# Altium PCB SVPX_FMC_6U_SOM.PcbDoc (part 3 of 9)
Units mm, origin at the board's own origin, x right, y up, seen from the top; angles counter-clockwise.
Board outline 160.38 x 233.53 mm, 10 copper layers (Top Layer, L1, P1, L2, P2, P3, L3, P4, L4, Bottom Layer), stack 1.749 mm thick; 649 components, 1262 nets, 4113 pads, 1924 vias.
Unrouted connection lines stored in the file: 1553.
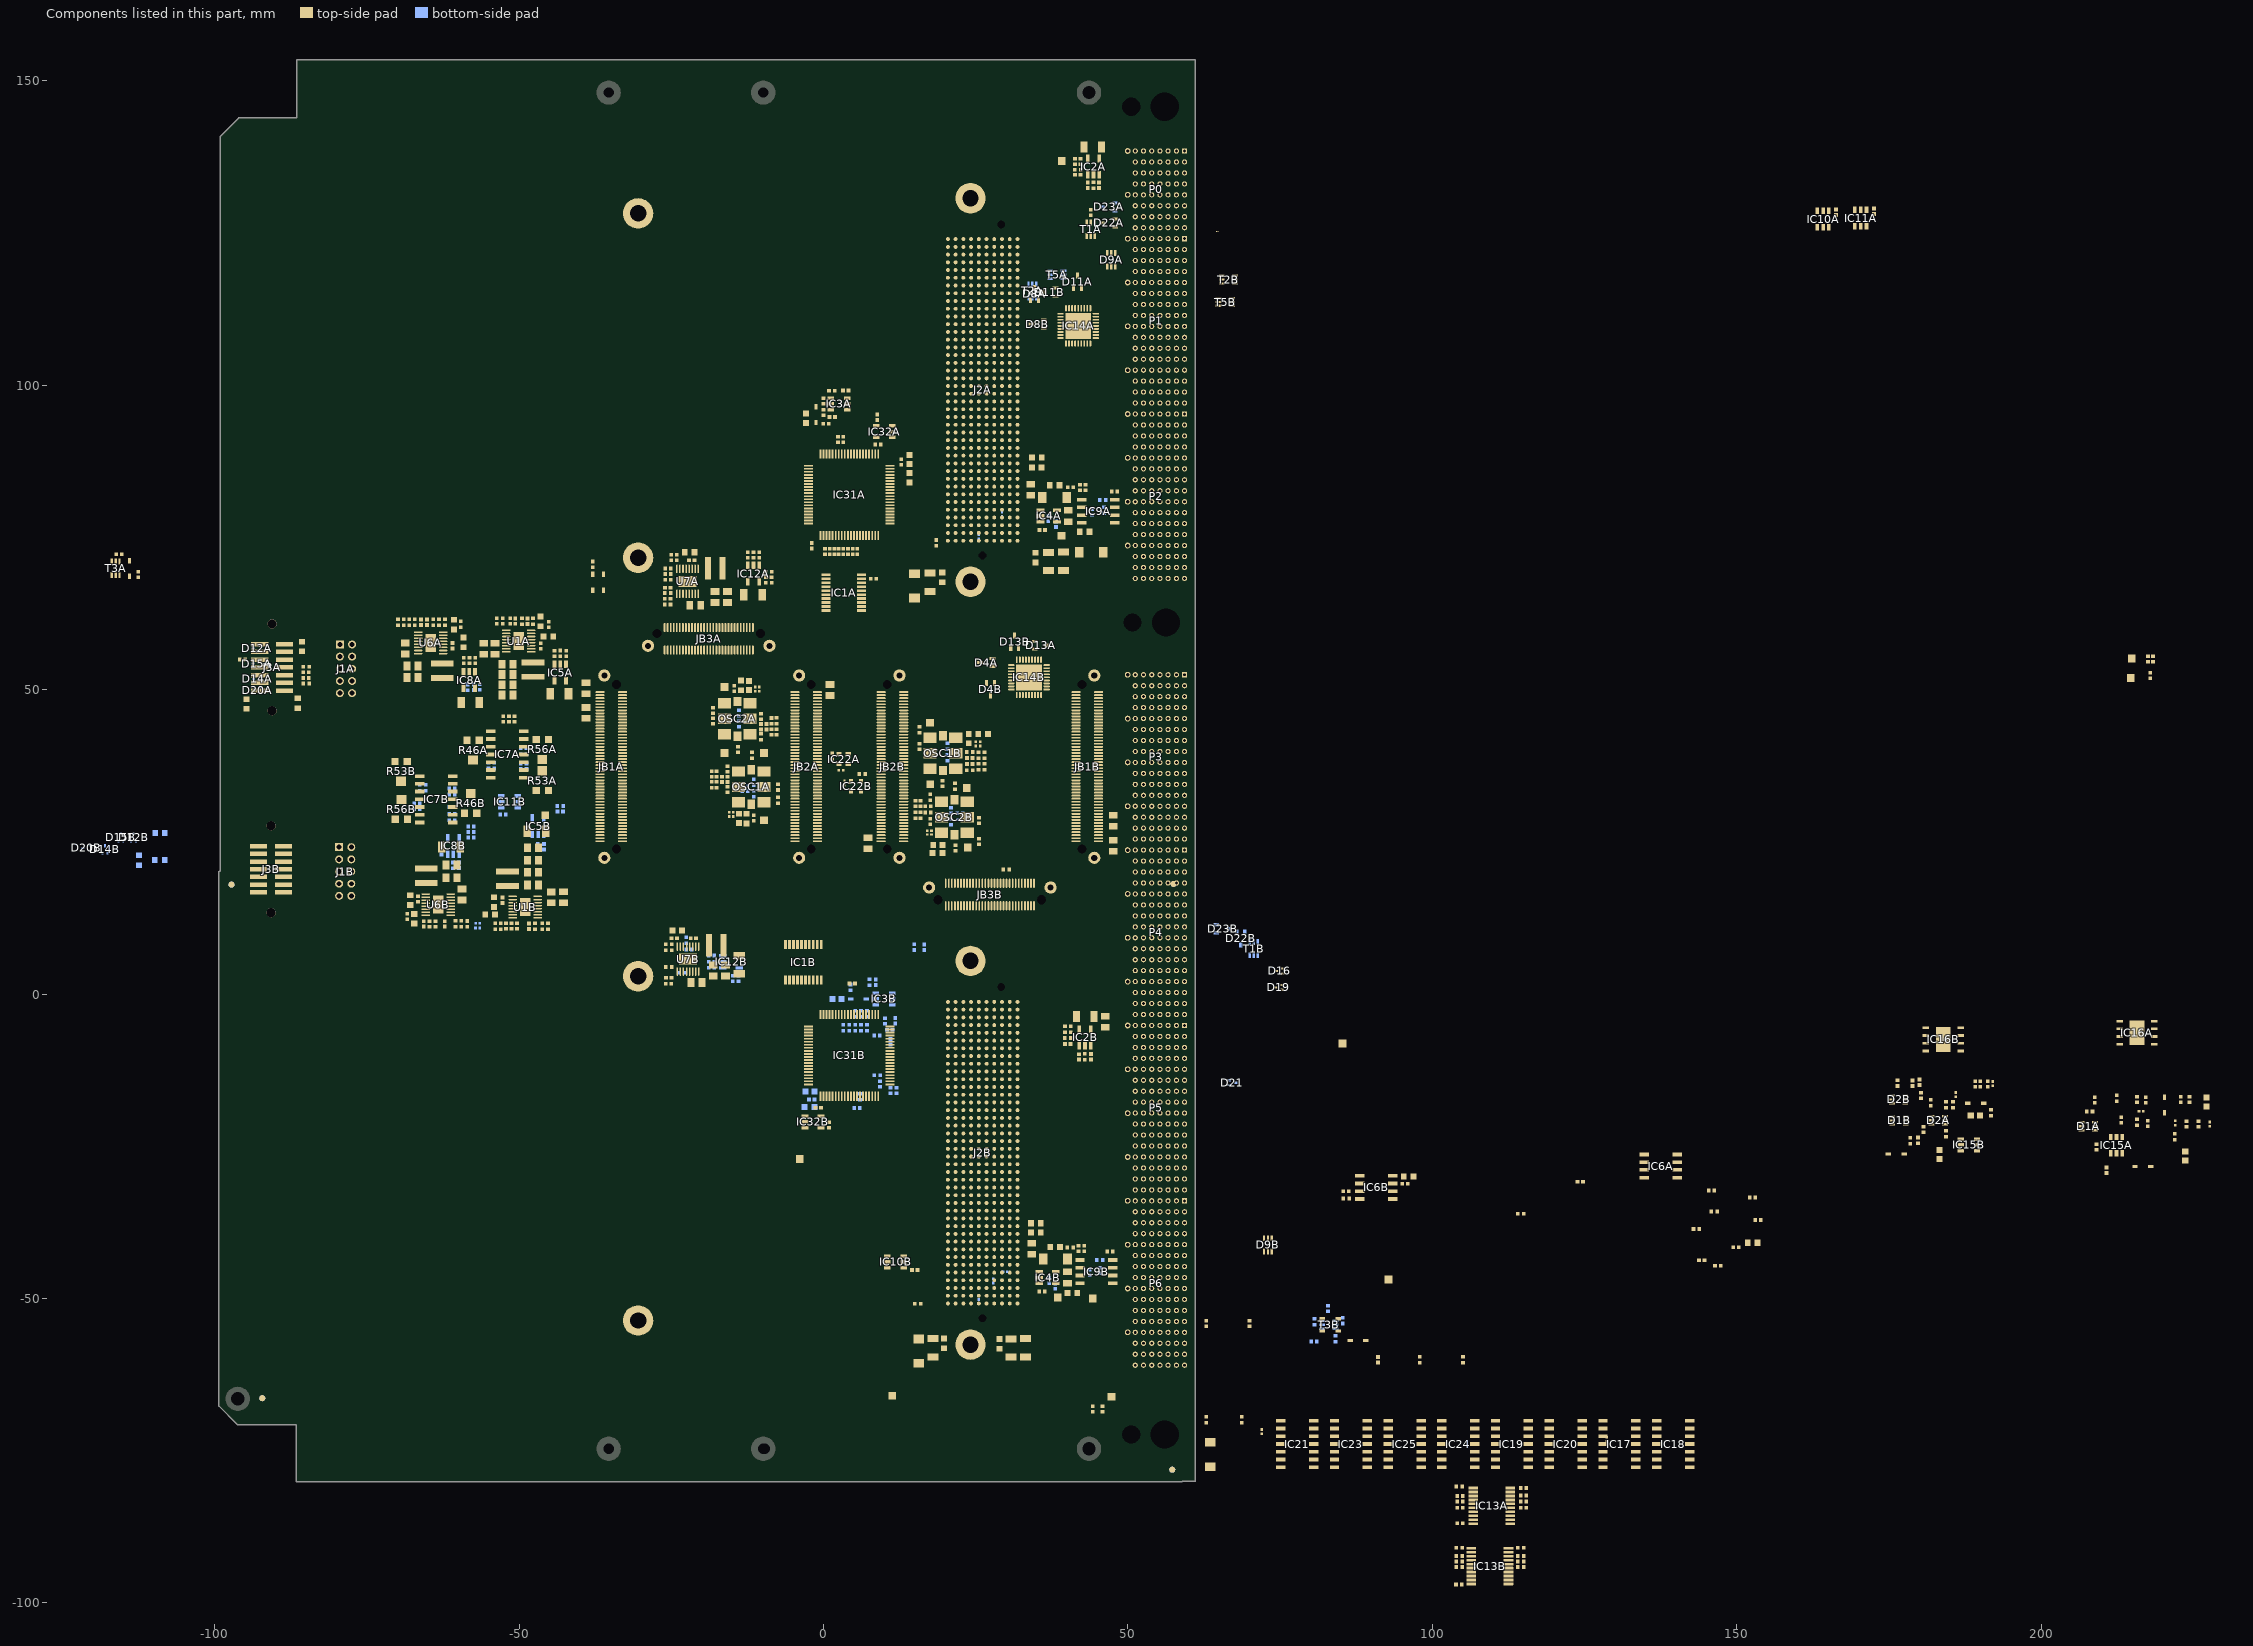
[diagram p11: the components of this part, seen from the top]

## Components (designator, comment, footprint, x,y, rotation, side; value= is the part's Value field where it differs from the comment) (continued)
R125B "200" RESC1005X40N 17.55,32.33 r270 top (schematic designator R125)
R126A "200" RESC1005X40N -10.25,45.6 r270 top (schematic designator R126)
R126B "200" RESC1005X40N 17.55,28.33 r90 top (schematic designator R126)
R127A "10k" RESC1005X40N -8.55,44.87 r270 top (schematic designator R127)
R127B "10k" RESC1005X40N 15.925,29.355 r90 top (schematic designator R127)
R128A "10k" RESC1005X40N -8.55,43.025 r90 top (schematic designator R128)
R128B "10k" RESC1005X40N 15.925,31.305 r270 top (schematic designator R128)
R129A "0" RESC1005X40N -18.14,44.831 r270 top (schematic designator R129)
R129B "0" RESC1005X40N 25.549,28.52 r90 top (schematic designator R129)
R130A "47k" RESC1005X40N 0.261,72.675 r270 top (schematic designator R130)
R130B "47k" RESC1005X40N 7.15,-5.525 r270 bottom (schematic designator R130)
R131A "47k" RESC1005X40N 1.036,72.675 r270 top (schematic designator R131)
R131B "47k" RESC1005X40N 7.15,-3.225 r270 bottom (schematic designator R131)
R132A "47k" RESC1005X40N 1.786,72.675 r270 top (schematic designator R132)
R132B "47k" RESC1005X40N 6.175,-5.525 r270 bottom (schematic designator R132)
R133A "47k" RESC1005X40N 2.511,72.675 r270 top (schematic designator R133)
R133B "47k" RESC1005X40N 6.175,-3.225 r270 bottom (schematic designator R133)
R134A "47k" RESC1005X40N 3.236,72.675 r270 top (schematic designator R134)
R134B "47k" RESC1005X40N 5.2,-5.525 r270 bottom (schematic designator R134)
R135A "47k" RESC1005X40N 4.011,72.675 r270 top (schematic designator R135)
R135B "47k" RESC1005X40N 5.2,-3.225 r90 bottom (schematic designator R135)
R136A "100" RESC1005X40N -84.95,53.75 r0 top (schematic designator R136)
R136B "100" RESC1005X40N 8.78,-6.825 r0 bottom (schematic designator R136)
R137A "1k" RESC1005X40N 1.375,99.1 r0 top (schematic designator R137)
R137B "1k" RESC1005X40N 10.1,-4.425 r90 bottom (schematic designator R137)
R138A "100k" RESC1005X40N 0.4,93.675 r0 top (schematic designator R138)
R138B "100k" RESC1005X40N 4.45,1.1 r90 bottom (schematic designator R138)
R139A "47k" RESC1005X40N 0,95.525 r270 top (schematic designator R139)
R139B "47k" RESC1005X40N 7.575,1.95 r90 bottom (schematic designator R139)
R140A "0" RESC1608X55N -85.625,57.1 r90 top (schematic designator R140)
R140B "0" RESC1608X55N -112.41,21.993 r270 bottom (schematic designator R140)
R141A "100" RESC1005X40N -84.975,51.925 r0 top (schematic designator R141)
R141B "100" RESC1005X40N 12,-15.85 r90 bottom (schematic designator R141)
R142A "100" RESC1005X40N -84.95,51 r0 top (schematic designator R142)
R142B "100" RESC1005X40N 11.025,-15.85 r90 bottom (schematic designator R142)
R143A "100" RESC1005X40N -95.425,54.95 r180 top (schematic designator R143)
R143B "100" RESC1005X40N 9.275,-14.75 r90 bottom (schematic designator R143)
R144A "100" RESC1005X40N -84.975,52.85 r0 top (schematic designator R144)
R144B "100" RESC1005X40N 8.825,-13.325 r0 bottom (schematic designator R144)
R145A "0" RESC1608X55N -94.75,47.625 r270 top (schematic designator R145)
R145B "0" RESC1608X55N -108.988,26.43 r0 bottom (schematic designator R145)
R146A "0" RESC1608X55N -86.35,47.775 r270 top (schematic designator R146)
R146B "0" RESC1608X55N -109,22 r0 bottom (schematic designator R146)
R147A "100k" RESC1005X40N 213.15,-20.7 r90 top (schematic designator R147)
R147B "100k" RESC1005X40N 178.485,-24.078 r90 top (schematic designator R147)
R148A "47k" RESC1005X40N 215.725,-21.05 r90 top (schematic designator R148)
R148B "47k" RESC1005X40N 179.75,-24.025 r90 top (schematic designator R148)
R149A "100k" RESC1005X40N 222.9,-17.3 r90 top (schematic designator R149)
R149B "100k" RESC1005X40N 176.393,-14.628 r90 top (schematic designator R149)
R150 "1M" RESC1005X40N 14.904,7.71 r90 bottom
R151 "1M" RESC1005X40N 44.228,-68.135 r270 top
R152 "0" RESC0603X28N -56.8,10.85 r180 bottom
R153 "0" RESC0603X28N -56.795,11.625 r180 bottom
R156A "100k" RESC1005X40N 18.525,74.105 r90 top (schematic designator R156)
R156B "100k" RESC1005X40N 15.466,-50.868 r0 top (schematic designator R156)
R160A "100k" RESC1005X40N 4.811,72.675 r90 top (schematic designator R160)
R160B "100k" RESC1005X40N 4.225,-5.525 r90 bottom (schematic designator R160)
R161A "100k" RESC1005X40N 5.561,72.675 r90 top (schematic designator R161)
R161B "100k" RESC1005X40N 3.25,-5.525 r90 bottom (schematic designator R161)
R192A "3k6" RESC1005X40N -51.664,45.187 r270 top (schematic designator R192)
R192B "3k6" RESC1005X40N -61.011,28.55 r0 bottom (schematic designator R192)
R193A "24k" RESC1005X40N -24.55,71.25 r0 top (schematic designator R193)
R193B "24k" RESC1005X40N -22.54,8.85 r270 bottom (schematic designator R193)
R194A "24k" RESC1005X40N -112.55,68.9 r270 top (schematic designator R194)
R194B "24k" RESC1005X40N 82.85,-51.65 r270 bottom (schematic designator R194)
R195A "24k" RESC1005X40N 217.9,52.325 r270 top (schematic designator R195)
R195B "24k" RESC1005X40N 80.575,-57.079 r0 bottom (schematic designator R195)
T1A "2N7002BKS" SOT65P210X110-6N 43.875,125.6 r90 top (schematic designator T1)
T1B "2N7002BKS" SOT65P210X110-6N 70.675,7.475 r90 bottom (schematic designator T1)
T2A "2N7002BKS" SOT65P210X110-6N 34.315,115.494 r270 bottom (schematic designator T2)
T2B "2N7002BKS" SOT65P210X110-6N 66.505,117.358 r0 top (schematic designator T2)
T3A "2N7002BKS" SOT65P210X110-6N -116.275,69.95 r90 top (schematic designator T3)
T3B "2N7002BKS" SOT65P210X110-6N 82.995,-54.284 r180 bottom (schematic designator T3)
T5A "2N7002BKS" SOT65P210X110-6N 38.329,118.161 r180 bottom (schematic designator T5)
T5B "2N7002BKS" SOT65P210X110-6N 65.989,113.665 r0 top (schematic designator T5)
TP5A "Test Point" TPS127 -9.766,28.555 r270 top (schematic designator TP5)
TP5B "Test Point" TPS127 17.475,44.575 r0 top (schematic designator TP5)
TP6A "Test Point" TPS127 -9.766,39.6 r270 top (schematic designator TP6)
TP6B "Test Point" TPS127 17.55,34.475 r0 top (schematic designator TP6)
TP7A "Test Point" TPS127 -16.24,50.425 r90 top (schematic designator TP7)
TP7B "Test Point" TPS127 23.687,24.061 r180 top (schematic designator TP7)
TP8A "Test Point" TPS127 -16.24,39.6 r90 top (schematic designator TP8)
TP8B "Test Point" TPS127 23.52,33.833 r180 top (schematic designator TP8)
TP9A "Test Point" TPS127 39.1,75.275 r270 top (schematic designator TP9)
TP9B "Test Point" TPS127 38.455,-49.82 r0 top (schematic designator TP9)
TP10A "Test Point" TPS127 214.85,55.1 r90 top (schematic designator TP10)
TP10B "Test Point" TPS127 -45.695,29.362 r0 top (schematic designator TP10)
TP11A "Test Point" TPS127 39.116,136.84 r180 top (schematic designator TP11)
TP11B "Test Point" TPS127 -3.9,-27.1 r90 top (schematic designator TP11)
TP13A "Test Point" TPS127 214.7,51.925 r90 top (schematic designator TP13)
TP13B "Test Point" TPS127 92.789,-46.869 r90 top (schematic designator TP13)
TP14A "Test Point" TPS127 85.225,-8.125 r90 top (schematic designator TP14)
TP14B "Test Point" TPS127 11.293,-65.975 r0 top (schematic designator TP14)
TP15 "Test Point" TPS127 44.225,-49.988 r0 top
TP26 "Test Point" TPS127 47.29,-66.132 r0 top
U1A "LT8610IMSE" LT-MSE-16-EDP_L -50.059,57.978 r0 top (schematic designator U1)
U1B "LT8610IMSE" LT-MSE-16-EDP_L -49,14.28 r180 top (schematic designator U1)
U6A "LT8610IMSE" LT-MSE-16-EDP_L -64.526,57.677 r0 top (schematic designator U6)
U6B "LT8610IMSE" LT-MSE-16-EDP_L -63.267,14.677 r180 top (schematic designator U6)
U7A "LT8610IMSE" LT-MSE-16-EDP_L -22.325,67.775 r90 top (schematic designator U7)
U7B "LT8610IMSE" LT-MSE-16-EDP_L -22.245,5.75 r90 top (schematic designator U7)

## Footprints (in the part's own frame and the unit in brackets; to place one, negate y for a bottom-side part, rotate by r counter-clockwise, add the part's x,y. Pads: shape width x height; smd on the part's side, far side on the other; paste and mask are expansions set on the pad)
62501021621 [mm] "2.00mm Male Box Header, 10p"
  rect 1.3x1.3 hole 0.8: 1(-4,-1)
  round 1.3 hole 0.8: 2(-4,1) 3(-2,-1) 4(-2,1) 5(0,-1) 6(0,1) 7(2,-1) 8(2,1) 9(4,-1) 10(4,1)
  silkscreen extent -8.7,-2.85 8.7,2.85, body extent -8.6,-2.75 8.6,2.75, height 5.65
BOUR-TC33X-2_V [mm] "SMD, 3-Leads, Body 3.8x3.6mm"
  rect 1.2x1.2 smd: 1(-1.8,1) 3(-1.8,-1)
  rect 1.5x1.6 smd: 2(1.45,0)
  silkscreen extent -3.07,-1.8 1.8,1.8, body extent -2,-1.8 1.96,1.8, height 1.15
BTB1-8-2H56M [mm] "Board-to-Board Connector, Right Angle, 7-Row, Pitch 1.8mm, 56-Position"
  rect 0.85x0.85 hole 0.475: A1(0,0)
  round 0.85 hole 0.475: A2(-1.8,0) A3(-3.6,0) A4(-5.4,0) A5(-7.2,0) A6(-9,0) A7(-10.8,0) A8(-12.6,0) B1(0,1.35) B2(-1.8,1.35) B3(-3.6,1.35) B4(-5.4,1.35) B5(-7.2,1.35) B6(-9,1.35) B7(-10.8,1.35) B8(-12.6,1.35) C1(0,2.7) C2(-1.8,2.7) C3(-3.6,2.7) C4(-5.4,2.7) C5(-7.2,2.7) C6(-9,2.7) C7(-10.8,2.7) C8(-12.6,2.7) D1(0,4.05) D2(-1.8,4.05) D3(-3.6,4.05) D4(-5.4,4.05) D5(-7.2,4.05) D6(-9,4.05) D7(-10.8,4.05) D8(-12.6,4.05) E1(0,5.4) E2(-1.8,5.4) E3(-3.6,5.4) E4(-5.4,5.4) E5(-7.2,5.4) E6(-9,5.4) E7(-10.8,5.4) E8(-12.6,5.4) F1(0,6.75) F2(-1.8,6.75) F3(-3.6,6.75) F4(-5.4,6.75) F5(-7.2,6.75) F6(-9,6.75) F7(-10.8,6.75) F8(-12.6,6.75) G1(0,8.1) G2(-1.8,8.1) G3(-3.6,8.1) G4(-5.4,8.1) G5(-7.2,8.1) G6(-9,8.1) G7(-10.8,8.1) G8(-12.6,8.1)
  round 0.95 hole 0.56: MH1(-7.2,9.35) MH2(0,9.35)
  silkscreen extent -13.44,-1.27 2.64,10.31, body extent -13.44,-12 2.64,10.31, height 14.7
BTB1-8-4H112M [mm] "Board-to-Board Connector, Right Angle, 7-Row, Pitch 1.8mm, 112-Position"
  rect 0.85x0.85 hole 0.475: A1(0,0)
  round 0.85 hole 0.475: A2(-1.8,0) A3(-3.6,0) A4(-5.4,0) A5(-7.2,0) A6(-9,0) A7(-10.8,0) A8(-12.6,0) A9(-14.4,0) A10(-16.2,0) A11(-18,0) A12(-19.8,0) A13(-21.6,0) A14(-23.4,0) A15(-25.2,0) A16(-27,0) B1(0,1.35) B2(-1.8,1.35) B3(-3.6,1.35) B4(-5.4,1.35) B5(-7.2,1.35) B6(-9,1.35) B7(-10.8,1.35) B8(-12.6,1.35) B9(-14.4,1.35) B10(-16.2,1.35) B11(-18,1.35) B12(-19.8,1.35) B13(-21.6,1.35) B14(-23.4,1.35) B15(-25.2,1.35) B16(-27,1.35) C1(0,2.7) C2(-1.8,2.7) C3(-3.6,2.7) C4(-5.4,2.7) C5(-7.2,2.7) C6(-9,2.7) C7(-10.8,2.7) C8(-12.6,2.7) C9(-14.4,2.7) C10(-16.2,2.7) C11(-18,2.7) C12(-19.8,2.7) C13(-21.6,2.7) C14(-23.4,2.7) C15(-25.2,2.7) C16(-27,2.7) D1(0,4.05) D2(-1.8,4.05) D3(-3.6,4.05) D4(-5.4,4.05) D5(-7.2,4.05) D6(-9,4.05) D7(-10.8,4.05) D8(-12.6,4.05) D9(-14.4,4.05) D10(-16.2,4.05) D11(-18,4.05) D12(-19.8,4.05) D13(-21.6,4.05) D14(-23.4,4.05) D15(-25.2,4.05) D16(-27,4.05) E1(0,5.4) E2(-1.8,5.4) E3(-3.6,5.4) E4(-5.4,5.4) E5(-7.2,5.4) E6(-9,5.4) E7(-10.8,5.4) E8(-12.6,5.4) E9(-14.4,5.4) E10(-16.2,5.4) E11(-18,5.4) E12(-19.8,5.4) E13(-21.6,5.4) E14(-23.4,5.4) E15(-25.2,5.4) E16(-27,5.4) F1(0,6.75) F2(-1.8,6.75) F3(-3.6,6.75) F4(-5.4,6.75) F5(-7.2,6.75) F6(-9,6.75) F7(-10.8,6.75) F8(-12.6,6.75) F9(-14.4,6.75) F10(-16.2,6.75) F11(-18,6.75) F12(-19.8,6.75) F13(-21.6,6.75) F14(-23.4,6.75) F15(-25.2,6.75) F16(-27,6.75) G1(0,8.1) G2(-1.8,8.1) G3(-3.6,8.1) G4(-5.4,8.1) G5(-7.2,8.1) G6(-9,8.1) G7(-10.8,8.1) G8(-12.6,8.1) G9(-14.4,8.1) G10(-16.2,8.1) G11(-18,8.1) G12(-19.8,8.1) G13(-21.6,8.1) G14(-23.4,8.1) G15(-25.2,8.1) G16(-27,8.1)
  round 0.95 hole 0.56: MH1(-21.6,9.35) MH2(-14.4,9.35) MH3(-7.2,9.35) MH4(0,9.35)
  silkscreen extent -27.84,-1 0.84,10.25, body extent -27.84,-12 0.84,10.31, height 14.7
BTB5-5-2H2F [mm] "VPX VITA 46 Alignment key, Right Angle, 1Key, Key orientation 0"
  round 2.7 hole 3 unplated: MH1(0,0)
  round 4.35 hole 4.65 unplated: MH2(0,-5.5)
  silkscreen extent -4.5,-10.25 4.5,1.65, body extent -4.44,-21.15 4.56,1.6, height 9.71
CAPC0603X33N [mm] "Chip Capacitor, Body 0.6x0.30mm, IPC Medium Density"
  rect 0.45x0.4 smd: 1(-0.35,0) 2(0.35,0)
  body extent -0.31,-0.16 0.32,0.17, height 0.33
CAPC1005X55N [mm] "Capacitor, Non-Polarized, Chip; 1.00mm L X 0.50mm W X 0.70mm H, IPC Medium Density"
  rect 0.62x0.62 smd: 1(-0.45,0) 2(0.45,0)
  body extent -0.52,-0.27 0.53,0.28, height 0.55
CAPC1608X80N [mm] "Chip Capacitor, Body 1.6x0.8mm IPC Medium Density"
  rect 1x1 smd: 1(-0.75,0) 2(0.75,0)
  body extent -0.87,-0.47 0.88,0.48, height 0.8
CAPC1608X87N [mm] "Chip Capacitor, Body 1.6x0.8mm IPC Medium Density"
  rect 0.95x1 smd: 1(-0.8,0) 2(0.8,0)
  body extent -0.87,-0.47 0.88,0.48, height 0.87
CAPC1608X90N [mm] "Chip Capacitor, Body 1.6x0.8mm IPC Medium Density"
  rect 0.95x0.95 smd: 1(-0.75,0) 2(0.75,0)
  body extent -0.85,-0.45 0.85,0.45, height 0.9
CAPC2012X95N [mm] "Chip Capacitor, Body 2.0x1.25mm, IPC Medium Density"
  rect 1.1x1.45 smd: 1(-0.9,0) 2(0.9,0)
  silkscreen extent 0,-0.58 0,0.58, body extent -1.05,-0.67 1.05,0.68, height 0.95
CAPC2012X135N [mm] "Chip Capacitor, Body 2.0x1.25mm, IPC Medium Density"
  rect 1.05x1.4 smd: 1(-0.9,0) 2(0.9,0)
  silkscreen extent 0,-0.58 0,0.58, body extent -1.05,-0.67 1.05,0.68, height 1.25
CAPC2012X140N [mm] "Chip Capacitor, Body 2.0x1.25mm, IPC Medium Density"
  rect 1.15x1.45 smd: 1(-0.9,0) 2(0.9,0)
  silkscreen extent 0,-0.58 0,0.58, body extent -1.05,-0.67 1.05,0.68, height 1.3
CAPC3216X180N [mm] "Chip Capacitor, Body 3.2x1.6mm, IPC Medium Density"
  rect 1.15x1.8 smd: 1(-1.5,0) 2(1.5,0)
  silkscreen extent -0.55,-0.8 0.55,0.8, body extent -1.7,-0.9 1.7,0.9, height 1.8
FIDUCIAL_TOP_C100-200 [mm] "Round Fiducial Target, Top Layer, 1.0mm, Top Solder 2.0mm, Keepout =2.0mm"
  round 1 smd paste-0.51 mask+0.5: FTG2(0,0)
  Top Layer keep-out circle w0.1: c0,0 r1
INDC1608X95N [mm] "Chip Inductor, 2-Leads, EIA 0603, Metric 1608, Body 1.6x0.8mm, IPC Medium Density"
  rect 0.95x1 smd: 1(-0.8,0) 2(0.8,0)
  body extent -0.87,-0.47 0.88,0.48, height 0.95
INDC4516X180N [mm] "Inductor, Chip; 4.50mm L X 1.60mm W X 1.80mm H, IPC Medium Density"
  rect 1.4x1.8 smd: 1(-2,0) 2(2,0)
  silkscreen extent -0.95,-0.8 0.95,0.8, body extent -2.25,-0.8 2.25,0.8, height 1.8
INF-SOT323_N [mm] "SOT23, 3-Leads, Body 2x1.25 mm, Pitch 0.65 mm, IPC Medium Density"
  rect 0.95x0.5 smd: 1(-1.025,0.65) 2(-1.025,-0.65) 3(1.025,0)
  silkscreen extent -1.15,-1.1 0.67,1.57, body extent -0.67,-1.1 0.67,1.1, height 1
LSHM-130-04.0-x-DV-A-S-K-TR [mm]
  oval 0.3x1.5 smd: 1(-7.25,1.85) 2(-7.25,-1.85) 3(-6.75,1.85) 4(-6.75,-1.85) 5(-6.25,1.85) 6(-6.25,-1.85) 7(-5.75,1.85) 8(-5.75,-1.85) 9(-5.25,1.85) 10(-5.25,-1.85) 11(-4.75,1.85) 12(-4.75,-1.85) 13(-4.25,1.85) 14(-4.25,-1.85) 15(-3.75,1.85) 16(-3.75,-1.85) 17(-3.25,1.85) 18(-3.25,-1.85) 19(-2.75,1.85) 20(-2.75,-1.85) 21(-2.25,1.85) 22(-2.25,-1.85) 23(-1.75,1.85) 24(-1.75,-1.85) 25(-1.25,1.85) 26(-1.25,-1.85) 27(-0.75,1.85) 28(-0.75,-1.85) 29(-0.25,1.85) 30(-0.25,-1.85) 31(0.25,1.85) 32(0.25,-1.85) 33(0.75,1.85) 34(0.75,-1.85) 35(1.25,1.85) 36(1.25,-1.85) 37(1.75,1.85) 38(1.75,-1.85) 39(2.25,1.85) 40(2.25,-1.85) 41(2.75,1.85) 42(2.75,-1.85) 43(3.25,1.85) 44(3.25,-1.85) 45(3.75,1.85) 46(3.75,-1.85) 47(4.25,1.85) 48(4.25,-1.85) 49(4.75,1.85) 50(4.75,-1.85) 51(5.25,1.85) 52(5.25,-1.85) 53(5.75,1.85) 54(5.75,-1.85) 55(6.25,1.85) 56(6.25,-1.85) 57(6.75,1.85) 58(6.75,-1.85) 59(7.25,1.85) 60(7.25,-1.85)
  round 2 hole 1: F1(-9.975,-1.15) F2(9.975,-1.15)
  round 0 hole 1.5 unplated mask+0.75: H1(-8.5,0.85) H2(8.5,0.85)
  Top Paste keep-out region: 9,-1.15 9.072,-0.786 9.278,-0.478 9.586,-0.272 9.95,-0.2 9.95,-0.2 10,-0.2 10.364,-0.272 10.672,-0.478 10.878,-0.786 10.95,-1.15 10.95,-1.15 10.878,-1.514 10.672,-1.822 10.364,-2.028 10,-2.1 10,-2.1 9.95,-2.1 9.586,-2.028 9.278,-1.822 9.072,-1.514 9,-1.15
  Top Paste keep-out region: -10.95,-1.15 -10.878,-0.786 -10.672,-0.478 -10.364,-0.272 -10,-0.2 -10,-0.2 -9.95,-0.2 -9.586,-0.272 -9.278,-0.478 -9.072,-0.786 -9,-1.15 -9,-1.15 -9.072,-1.514 -9.278,-1.822 -9.586,-2.028 -9.95,-2.1 -9.95,-2.1 -10,-2.1 -10.364,-2.028 -10.672,-1.822 -10.878,-1.514 -10.95,-1.15
  silkscreen extent -10.08,-2.49 10.07,2.8, body extent -10.42,-2.49 10.42,2.49, height 1.25
LSHM-150-XXX-X-DV-A-X [mm]
  oval 0.3x1.5 smd: 1(-12.25,1.85) 2(-12.25,-1.85) 3(-11.75,1.85) 4(-11.75,-1.85) 5(-11.25,1.85) 6(-11.25,-1.85) 7(-10.75,1.85) 8(-10.75,-1.85) 9(-10.25,1.85) 10(-10.25,-1.85) 11(-9.75,1.85) 12(-9.75,-1.85) 13(-9.25,1.85) 14(-9.25,-1.85) 15(-8.75,1.85) 16(-8.75,-1.85) 17(-8.25,1.85) 18(-8.25,-1.85) 19(-7.75,1.85) 20(-7.75,-1.85) 21(-7.25,1.85) 22(-7.25,-1.85) 23(-6.75,1.85) 24(-6.75,-1.85) 25(-6.25,1.85) 26(-6.25,-1.85) 27(-5.75,1.85) 28(-5.75,-1.85) 29(-5.25,1.85) 30(-5.25,-1.85) 31(-4.75,1.85) 32(-4.75,-1.85) 33(-4.25,1.85) 34(-4.25,-1.85) 35(-3.75,1.85) 36(-3.75,-1.85) 37(-3.25,1.85) 38(-3.25,-1.85) 39(-2.75,1.85) 40(-2.75,-1.85) 41(-2.25,1.85) 42(-2.25,-1.85) 43(-1.75,1.85) 44(-1.75,-1.85) 45(-1.25,1.85) 46(-1.25,-1.85) 47(-0.75,1.85) 48(-0.75,-1.85) 49(-0.25,1.85) 50(-0.25,-1.85) 51(0.25,1.85) 52(0.25,-1.85) 53(0.75,1.85) 54(0.75,-1.85) 55(1.25,1.85) 56(1.25,-1.85) 57(1.75,1.85) 58(1.75,-1.85) 59(2.25,1.85) 60(2.25,-1.85) 61(2.75,1.85) 62(2.75,-1.85) 63(3.25,1.85) 64(3.25,-1.85) 65(3.75,1.85) 66(3.75,-1.85) 67(4.25,1.85) 68(4.25,-1.85) 69(4.75,1.85) 70(4.75,-1.85) 71(5.25,1.85) 72(5.25,-1.85) 73(5.75,1.85) 74(5.75,-1.85) 75(6.25,1.85) 76(6.25,-1.85) 77(6.75,1.85) 78(6.75,-1.85) 79(7.25,1.85) 80(7.25,-1.85) 81(7.75,1.85) 82(7.75,-1.85) 83(8.25,1.85) 84(8.25,-1.85) 85(8.75,1.85) 86(8.75,-1.85) 87(9.25,1.85) 88(9.25,-1.85) 89(9.75,1.85) 90(9.75,-1.85) 91(10.25,1.85) 92(10.25,-1.85) 93(10.75,1.85) 94(10.75,-1.85) 95(11.25,1.85) 96(11.25,-1.85) 97(11.75,1.85) 98(11.75,-1.85) 99(12.25,1.85) 100(12.25,-1.85)
  round 2 hole 1: F1(-14.975,-1.15) F2(14.975,-1.15)
  round 0 hole 1.45 unplated: H1(13.5,0.85) H2(-13.5,0.85)
  Top Paste keep-out region: 13.975,-1.1 14.047,-0.736 14.253,-0.428 14.561,-0.222 14.925,-0.15 14.925,-0.15 15,-0.15 15.373,-0.224 15.689,-0.436 15.901,-0.752 15.975,-1.125 15.975,-1.125 15.975,-1.2 15.903,-1.564 15.697,-1.872 15.389,-2.078 15.025,-2.15 15.025,-2.15 14.975,-2.15 14.592,-2.074 14.268,-1.857 14.051,-1.533 13.975,-1.15 13.975,-1.15
  Top Paste keep-out region: -15.975,-1.1 -15.903,-0.736 -15.697,-0.428 -15.389,-0.222 -15.025,-0.15 -15.025,-0.15 -14.95,-0.15 -14.577,-0.224 -14.261,-0.436 -14.049,-0.752 -13.975,-1.125 -13.975,-1.125 -13.975,-1.2 -14.047,-1.564 -14.253,-1.872 -14.561,-2.078 -14.925,-2.15 -14.925,-2.15 -14.975,-2.15 -15.358,-2.074 -15.682,-1.857 -15.899,-1.533 -15.975,-1.15 -15.975,-1.15
  silkscreen extent -15.07,-2.49 15.08,2.8, body extent -15.42,-2.49 15.42,2.49, height 5.45
LT-MSE-16-EDP_L [mm] "SOP, 16-Leads, Body 4.1x3.1mm, Pitch 0.5mm, Thermal Pad 2.95x1.76mm, IPC High Density"
  oval 1.4x0.25 smd: 1(-2.05,1.75) 2(-2.05,1.25) 3(-2.05,0.75) 4(-2.05,0.25) 5(-2.05,-0.25) 6(-2.05,-0.75) 7(-2.05,-1.25) 8(-2.05,-1.75) 9(2.05,-1.75) 10(2.05,-1.25) 11(2.05,-0.75) 12(2.05,-0.25) 13(2.05,0.25) 14(2.05,0.75) 15(2.05,1.25) 16(2.05,1.75)
  rect 1.76x2.95 smd: 17(0,0)
  silkscreen extent -2.17,-2.08 0.95,2.55, body extent -1.55,-2.05 1.55,2.05, height 1.1
MTG270_500 [mm] "Plated Through Hole: Hole Dia.=2.7mm Pad Dia.=5.0mm"
  round 5 hole 2.7: 1(0,0)
"Net Tie" [mil] "SMD Net Tie"
  rect 5x5 smd paste-2.5 mask-2.5: 1(0,0) 2(10,0)
  Top Layer lines w5: 0,0 10,0
OSC_MICREL_2520 [mm] "MICREL SMD Oscillator, QFN, 4 pins, 2.5mm x 2.0mm"
  rect 0.85x0.65 smd far side: 1(-0.775,-0.825) 2(-0.775,0.825) 3(0.775,0.825) 4(0.775,-0.825)
  body extent -1,-1.25 1,1.25, height 0.9